# KiCad board Parallel.kicad_pcb (continued)
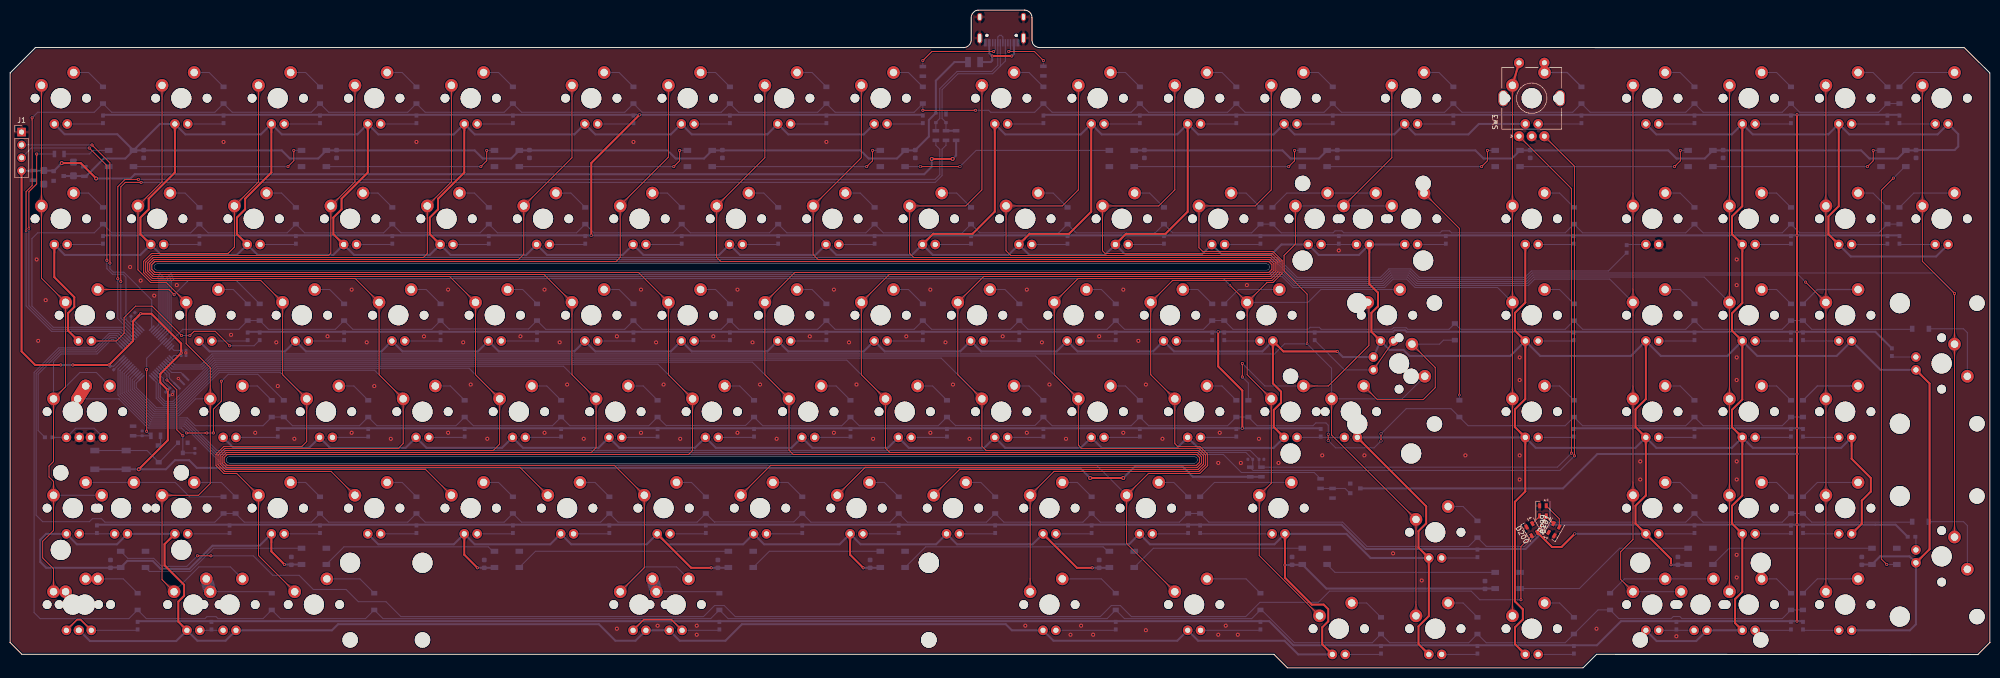
[diagram p0: board, top side]
## Copper pours and planes (outline as drawn; the poured copper is in the pictures) (continued)
Col13 on Bottom: 270.11,91.14 270.19,91.14 270.26,91.14 270.34,91.13 270.41,91.13 270.48,91.12 270.55,91.11 270.62,91.1 270.69,91.09 270.76,91.07 270.82,91.06 270.89,91.04 270.96,91.02 271.02,91 271.08,90.97 271.15,90.95 271.21,90.92 271.27,90.89 271.33,90.86 271.39,90.83 271.45,90.8 271.51,90.76 271.57,90.73 271.62,90.69 271.68,90.65 271.73,90.6 271.79,90.56 271.84,90.51 271.89,90.47 271.95,90.42 272,90.37 273.52,91.24 272,92.12 271.95,92.07 271.89,92.02 271.84,91.97 271.79,91.92 271.73,91.88 271.68,91.84 271.62,91.8 271.57,91.76 271.51,91.72 271.45,91.69 271.39,91.65 271.33,91.62 271.27,91.59 271.21,91.56 271.15,91.54 271.08,91.51 271.02,91.49 270.96,91.47 270.89,91.45 270.82,91.43 270.76,91.41 270.69,91.4 270.62,91.38 270.55,91.37 270.48,91.36 270.41,91.36 270.34,91.35 270.26,91.35 270.19,91.34 270.11,91.34
Col13 on Bottom: 260.88,55.92 260.88,55.84 260.88,55.77 260.88,55.7 260.87,55.62 260.86,55.55 260.85,55.48 260.84,55.41 260.83,55.34 260.81,55.28 260.8,55.21 260.78,55.14 260.76,55.08 260.74,55.01 260.72,54.95 260.69,54.89 260.66,54.82 260.64,54.76 260.61,54.7 260.57,54.64 260.54,54.58 260.5,54.52 260.47,54.47 260.43,54.41 260.39,54.35 260.35,54.3 260.3,54.24 260.26,54.19 260.21,54.14 260.16,54.09 260.11,54.03 260.98,52.52 261.86,54.03 261.81,54.09 261.76,54.14 261.71,54.19 261.67,54.24 261.62,54.3 261.58,54.35 261.54,54.41 261.5,54.47 261.46,54.52 261.43,54.58 261.4,54.64 261.36,54.7 261.33,54.76 261.3,54.82 261.28,54.89 261.25,54.95 261.23,55.01 261.21,55.08 261.19,55.14 261.17,55.21 261.15,55.28 261.14,55.34 261.13,55.41 261.12,55.48 261.11,55.55 261.1,55.62 261.09,55.7 261.09,55.77 261.09,55.84 261.08,55.92
Col13 on Bottom: 263.76,53.24 263.69,53.24 263.61,53.25 263.54,53.25 263.47,53.26 263.4,53.26 263.33,53.27 263.26,53.28 263.19,53.3 263.12,53.31 263.05,53.33 262.99,53.35 262.92,53.37 262.85,53.39 262.79,53.41 262.73,53.44 262.67,53.46 262.6,53.49 262.54,53.52 262.48,53.55 262.42,53.59 262.37,53.62 262.31,53.66 262.25,53.7 262.2,53.74 262.14,53.78 262.09,53.82 262.03,53.87 261.98,53.92 261.93,53.97 261.88,54.02 260.36,53.14 261.88,52.27 261.93,52.32 261.98,52.37 262.03,52.41 262.09,52.46 262.14,52.5 262.2,52.55 262.25,52.59 262.31,52.62 262.37,52.66 262.42,52.7 262.48,52.73 262.54,52.76 262.6,52.79 262.67,52.82 262.73,52.85 262.79,52.87 262.85,52.9 262.92,52.92 262.99,52.94 263.05,52.96 263.12,52.97 263.19,52.99 263.26,53 263.33,53.01 263.4,53.02 263.47,53.03 263.54,53.03 263.61,53.04 263.69,53.04 263.76,53.04
Col13 on Bottom: 277.51,55.55 277.56,55.6 277.61,55.66 277.67,55.7 277.72,55.75 277.78,55.8 277.84,55.84 277.89,55.88 277.95,55.92 278.01,55.96 278.07,55.99 278.13,56.03 278.19,56.06 278.25,56.09 278.31,56.12 278.37,56.15 278.44,56.17 278.5,56.19 278.57,56.22 278.63,56.24 278.7,56.25 278.76,56.27 278.83,56.29 278.9,56.3 278.96,56.31 279.03,56.32 279.1,56.33 279.17,56.33 279.24,56.33 279.31,56.34 279.39,56.34 279.84,58.03 278.15,57.57 278.15,57.5 278.15,57.43 278.14,57.36 278.14,57.29 278.13,57.22 278.12,57.15 278.11,57.08 278.1,57.02 278.08,56.95 278.07,56.88 278.05,56.82 278.03,56.75 278.01,56.69 277.98,56.62 277.96,56.56 277.93,56.5 277.9,56.44 277.87,56.38 277.84,56.32 277.81,56.26 277.77,56.2 277.73,56.14 277.69,56.08 277.65,56.02 277.61,55.97 277.56,55.91 277.52,55.86 277.47,55.8 277.42,55.75 277.37,55.69
Col13 on Bottom: 256.62,91.34 256.54,91.34 256.47,91.35 256.39,91.35 256.32,91.36 256.25,91.36 256.18,91.37 256.11,91.38 256.04,91.4 255.97,91.41 255.91,91.43 255.84,91.45 255.78,91.47 255.71,91.49 255.65,91.51 255.58,91.54 255.52,91.56 255.46,91.59 255.4,91.62 255.34,91.65 255.28,91.69 255.22,91.72 255.16,91.76 255.11,91.8 255.05,91.84 255,91.88 254.94,91.92 254.89,91.97 254.84,92.02 254.78,92.07 254.73,92.12 253.21,91.24 254.73,90.37 254.78,90.42 254.84,90.47 254.89,90.51 254.94,90.56 255,90.6 255.05,90.65 255.11,90.69 255.16,90.73 255.22,90.76 255.28,90.8 255.34,90.83 255.4,90.86 255.46,90.89 255.52,90.92 255.58,90.95 255.65,90.97 255.71,91 255.78,91.02 255.84,91.04 255.91,91.06 255.97,91.07 256.04,91.09 256.11,91.1 256.18,91.11 256.25,91.12 256.32,91.13 256.39,91.13 256.47,91.14 256.54,91.14 256.62,91.14
Col13 on Bottom: 260.59,91.14 260.66,91.14 260.74,91.14 260.81,91.13 260.88,91.13 260.95,91.12 261.02,91.11 261.09,91.1 261.16,91.09 261.23,91.07 261.3,91.06 261.36,91.04 261.43,91.02 261.49,91 261.56,90.97 261.62,90.95 261.68,90.92 261.75,90.89 261.81,90.86 261.87,90.83 261.93,90.8 261.98,90.76 262.04,90.73 262.1,90.69 262.15,90.65 262.21,90.6 262.26,90.56 262.32,90.51 262.37,90.47 262.42,90.42 262.47,90.37 263.99,91.24 262.47,92.12 262.42,92.07 262.37,92.02 262.32,91.97 262.26,91.92 262.21,91.88 262.15,91.84 262.1,91.8 262.04,91.76 261.98,91.72 261.93,91.69 261.87,91.65 261.81,91.62 261.75,91.59 261.68,91.56 261.62,91.54 261.56,91.51 261.49,91.49 261.43,91.47 261.36,91.45 261.3,91.43 261.23,91.41 261.16,91.4 261.09,91.38 261.02,91.37 260.95,91.36 260.88,91.36 260.81,91.35 260.74,91.35 260.66,91.34 260.59,91.34
Col14 on Top: 297.22,117.54 296.11,116.16 296.53,114.45 297.79,115.66 297.61,117.43
Col14 on Top: 297.66,117.6 298.48,118.63 298.15,119.99 297.14,119.03 297.28,117.72
Col14 on Top: 296.8,50.37 296.8,50.44 296.81,50.51 296.81,50.59 296.82,50.66 296.82,50.73 296.83,50.8 296.84,50.87 296.86,50.94 296.87,51.01 296.89,51.07 296.91,51.14 296.93,51.21 296.95,51.27 296.97,51.34 297,51.4 297.02,51.46 297.05,51.52 297.08,51.58 297.11,51.64 297.15,51.7 297.18,51.76 297.22,51.82 297.26,51.87 297.3,51.93 297.34,51.99 297.38,52.04 297.43,52.09 297.48,52.15 297.53,52.2 297.58,52.25 296.7,53.77 295.83,52.25 295.88,52.2 295.93,52.15 295.97,52.09 296.02,52.04 296.06,51.99 296.11,51.93 296.15,51.87 296.19,51.82 296.22,51.76 296.26,51.7 296.29,51.64 296.32,51.58 296.35,51.52 296.38,51.46 296.41,51.4 296.43,51.34 296.46,51.27 296.48,51.21 296.5,51.14 296.52,51.07 296.53,51.01 296.55,50.94 296.56,50.87 296.57,50.8 296.58,50.73 296.59,50.66 296.59,50.59 296.6,50.51 296.6,50.44 296.6,50.37
Col14 on Top: 296.6,13.06 296.6,12.98 296.6,12.91 296.59,12.83 296.59,12.76 296.58,12.69 296.57,12.62 296.56,12.55 296.55,12.48 296.53,12.41 296.52,12.35 296.5,12.28 296.48,12.21 296.46,12.15 296.43,12.09 296.41,12.02 296.38,11.96 296.35,11.9 296.32,11.84 296.29,11.78 296.26,11.72 296.22,11.66 296.19,11.6 296.15,11.55 296.11,11.49 296.06,11.44 296.02,11.38 295.98,11.33 295.93,11.27 295.88,11.22 295.83,11.17 296.7,9.65 297.58,11.17 297.53,11.22 297.48,11.27 297.43,11.33 297.39,11.38 297.34,11.44 297.3,11.49 297.26,11.55 297.22,11.6 297.18,11.66 297.15,11.72 297.11,11.78 297.08,11.84 297.05,11.9 297.02,11.96 297,12.02 296.97,12.09 296.95,12.15 296.93,12.21 296.91,12.28 296.89,12.35 296.87,12.41 296.86,12.48 296.84,12.55 296.83,12.62 296.82,12.69 296.82,12.76 296.81,12.83 296.81,12.91 296.8,12.98 296.8,13.06
Col14 on Top: 296.8,69.42 296.8,69.49 296.81,69.56 296.81,69.64 296.82,69.71 296.82,69.78 296.83,69.85 296.84,69.92 296.86,69.99 296.87,70.06 296.89,70.12 296.91,70.19 296.93,70.26 296.95,70.32 296.97,70.39 297,70.45 297.02,70.51 297.05,70.57 297.08,70.63 297.11,70.69 297.15,70.75 297.18,70.81 297.22,70.87 297.26,70.92 297.3,70.98 297.34,71.04 297.38,71.09 297.43,71.14 297.48,71.2 297.53,71.25 297.58,71.3 296.7,72.82 295.83,71.3 295.88,71.25 295.93,71.2 295.97,71.14 296.02,71.09 296.06,71.04 296.11,70.98 296.15,70.92 296.19,70.87 296.22,70.81 296.26,70.75 296.29,70.69 296.32,70.63 296.35,70.57 296.38,70.51 296.41,70.45 296.43,70.39 296.46,70.32 296.48,70.26 296.5,70.19 296.52,70.12 296.53,70.06 296.55,69.99 296.56,69.92 296.57,69.85 296.58,69.78 296.59,69.71 296.59,69.64 296.6,69.56 296.6,69.49 296.6,69.42
Col14 on Top: 296.6,55.92 296.6,55.84 296.6,55.77 296.59,55.7 296.59,55.62 296.58,55.55 296.57,55.48 296.56,55.41 296.55,55.34 296.53,55.28 296.52,55.21 296.5,55.14 296.48,55.08 296.46,55.01 296.43,54.95 296.41,54.89 296.38,54.82 296.35,54.76 296.32,54.7 296.29,54.64 296.26,54.58 296.22,54.52 296.19,54.47 296.15,54.41 296.11,54.35 296.06,54.3 296.02,54.24 295.97,54.19 295.93,54.14 295.88,54.09 295.83,54.03 296.7,52.52 297.58,54.03 297.53,54.09 297.48,54.14 297.43,54.19 297.38,54.24 297.34,54.3 297.3,54.35 297.26,54.41 297.22,54.47 297.18,54.52 297.15,54.58 297.11,54.64 297.08,54.7 297.05,54.76 297.02,54.82 297,54.89 296.97,54.95 296.95,55.01 296.93,55.08 296.91,55.14 296.89,55.21 296.87,55.28 296.86,55.34 296.84,55.41 296.83,55.48 296.82,55.55 296.82,55.62 296.81,55.7 296.81,55.77 296.8,55.84 296.8,55.92
Col14 on Top: 296.8,88.47 296.8,88.54 296.81,88.61 296.81,88.69 296.82,88.76 296.82,88.83 296.83,88.9 296.84,88.97 296.86,89.04 296.87,89.11 296.89,89.17 296.91,89.24 296.93,89.31 296.95,89.37 296.97,89.44 297,89.5 297.02,89.56 297.05,89.62 297.08,89.68 297.11,89.74 297.15,89.8 297.18,89.86 297.22,89.92 297.26,89.97 297.3,90.03 297.34,90.09 297.38,90.14 297.43,90.19 297.48,90.25 297.53,90.3 297.58,90.35 296.7,91.87 295.83,90.35 295.88,90.3 295.93,90.25 295.97,90.19 296.02,90.14 296.06,90.09 296.11,90.03 296.15,89.97 296.19,89.92 296.22,89.86 296.26,89.8 296.29,89.74 296.32,89.68 296.35,89.62 296.38,89.56 296.41,89.5 296.43,89.44 296.46,89.37 296.48,89.31 296.5,89.24 296.52,89.17 296.53,89.11 296.55,89.04 296.56,88.97 296.57,88.9 296.58,88.83 296.59,88.76 296.59,88.69 296.6,88.61 296.6,88.54 296.6,88.47
Col14 on Top: 296.6,74.97 296.6,74.89 296.6,74.82 296.59,74.75 296.59,74.67 296.58,74.6 296.57,74.53 296.56,74.46 296.55,74.39 296.53,74.33 296.52,74.26 296.5,74.19 296.48,74.13 296.46,74.06 296.43,74 296.41,73.94 296.38,73.87 296.35,73.81 296.32,73.75 296.29,73.69 296.26,73.63 296.22,73.57 296.19,73.52 296.15,73.46 296.11,73.4 296.06,73.35 296.02,73.29 295.97,73.24 295.93,73.19 295.88,73.14 295.83,73.08 296.7,71.57 297.58,73.08 297.53,73.14 297.48,73.19 297.43,73.24 297.38,73.29 297.34,73.35 297.3,73.4 297.26,73.46 297.22,73.52 297.18,73.57 297.15,73.63 297.11,73.69 297.08,73.75 297.05,73.81 297.02,73.87 297,73.94 296.97,74 296.95,74.06 296.93,74.13 296.91,74.19 296.89,74.26 296.87,74.33 296.86,74.39 296.84,74.46 296.83,74.53 296.82,74.6 296.82,74.67 296.81,74.75 296.81,74.82 296.8,74.89 296.8,74.97
Col14 on Top: 296.8,112.28 296.8,112.35 296.81,112.43 296.81,112.5 296.82,112.57 296.82,112.64 296.83,112.71 296.84,112.78 296.86,112.85 296.87,112.92 296.89,112.99 296.91,113.05 296.93,113.12 296.95,113.18 296.97,113.25 297,113.31 297.02,113.37 297.05,113.43 297.08,113.5 297.11,113.56 297.15,113.61 297.18,113.67 297.22,113.73 297.26,113.79 297.3,113.84 297.34,113.9 297.38,113.95 297.43,114.01 297.48,114.06 297.53,114.11 297.58,114.16 296.7,115.68 295.83,114.16 295.88,114.11 295.93,114.06 295.97,114.01 296.02,113.95 296.06,113.9 296.11,113.84 296.15,113.79 296.19,113.73 296.22,113.67 296.26,113.61 296.29,113.56 296.32,113.5 296.35,113.43 296.38,113.37 296.41,113.31 296.43,113.25 296.46,113.18 296.48,113.12 296.5,113.05 296.52,112.99 296.53,112.92 296.55,112.85 296.56,112.78 296.57,112.71 296.58,112.64 296.59,112.57 296.59,112.5 296.6,112.43 296.6,112.35 296.6,112.28
Col14 on Top: 296.6,94.02 296.6,93.94 296.6,93.87 296.59,93.8 296.59,93.72 296.58,93.65 296.57,93.58 296.56,93.51 296.55,93.44 296.53,93.38 296.52,93.31 296.5,93.24 296.48,93.18 296.46,93.11 296.43,93.05 296.41,92.99 296.38,92.92 296.35,92.86 296.32,92.8 296.29,92.74 296.26,92.68 296.22,92.62 296.19,92.57 296.15,92.51 296.11,92.45 296.06,92.4 296.02,92.34 295.97,92.29 295.93,92.24 295.88,92.19 295.83,92.13 296.7,90.62 297.58,92.13 297.53,92.19 297.48,92.24 297.43,92.29 297.38,92.34 297.34,92.4 297.3,92.45 297.26,92.51 297.22,92.57 297.18,92.62 297.15,92.68 297.11,92.74 297.08,92.8 297.05,92.86 297.02,92.92 297,92.99 296.97,93.05 296.95,93.11 296.93,93.18 296.91,93.24 296.89,93.31 296.87,93.38 296.86,93.44 296.84,93.51 296.83,93.58 296.82,93.65 296.82,93.72 296.81,93.8 296.81,93.87 296.8,93.94 296.8,94.02
Col14 on Bottom: 294.67,74.08 294.72,74.03 294.77,73.98 294.82,73.92 294.87,73.87 294.91,73.81 294.95,73.75 295,73.7 295.03,73.64 295.07,73.58 295.11,73.52 295.14,73.46 295.18,73.4 295.21,73.34 295.23,73.28 295.26,73.22 295.29,73.15 295.31,73.09 295.33,73.03 295.35,72.96 295.37,72.9 295.39,72.83 295.4,72.76 295.41,72.69 295.42,72.63 295.43,72.56 295.44,72.49 295.45,72.42 295.45,72.35 295.45,72.28 295.45,72.2 297.14,71.75 296.69,73.44 296.62,73.44 296.55,73.44 296.48,73.45 296.41,73.45 296.34,73.46 296.27,73.47 296.2,73.48 296.13,73.49 296.06,73.51 296,73.52 295.93,73.54 295.87,73.56 295.8,73.58 295.74,73.61 295.68,73.63 295.61,73.66 295.55,73.69 295.49,73.72 295.43,73.75 295.37,73.79 295.31,73.82 295.25,73.86 295.2,73.9 295.14,73.94 295.08,73.98 295.03,74.03 294.97,74.07 294.92,74.12 294.86,74.17 294.81,74.23
Col15 on Top: 318.48,16.93 318.53,16.88 318.58,16.83 318.63,16.77 318.68,16.72 318.72,16.66 318.77,16.6 318.81,16.55 318.85,16.49 318.89,16.43 318.92,16.37 318.96,16.31 318.99,16.25 319.02,16.19 319.05,16.13 319.08,16.07 319.1,16 319.12,15.94 319.15,15.88 319.17,15.81 319.18,15.75 319.2,15.68 319.21,15.61 319.23,15.54 319.24,15.48 319.25,15.41 319.25,15.34 319.26,15.27 319.26,15.2 319.27,15.13 319.27,15.05 320.96,14.6 320.5,16.29 320.43,16.29 320.36,16.29 320.29,16.3 320.22,16.3 320.15,16.31 320.08,16.32 320.01,16.33 319.94,16.34 319.88,16.36 319.81,16.37 319.75,16.39 319.68,16.41 319.62,16.43 319.55,16.46 319.49,16.48 319.43,16.51 319.37,16.54 319.31,16.57 319.24,16.6 319.19,16.64 319.13,16.67 319.07,16.71 319.01,16.75 318.95,16.79 318.9,16.83 318.84,16.88 318.78,16.92 318.73,16.97 318.68,17.02 318.62,17.08
Col15 on Top: 320.62,31.32 320.62,31.39 320.62,31.46 320.62,31.54 320.63,31.61 320.64,31.68 320.65,31.75 320.66,31.82 320.67,31.89 320.69,31.96 320.7,32.02 320.72,32.09 320.74,32.16 320.76,32.22 320.78,32.29 320.81,32.35 320.84,32.41 320.86,32.47 320.89,32.53 320.93,32.59 320.96,32.65 321,32.71 321.03,32.77 321.07,32.82 321.11,32.88 321.15,32.94 321.2,32.99 321.24,33.04 321.29,33.1 321.34,33.15 321.39,33.2 320.52,34.72 319.64,33.2 319.69,33.15 319.74,33.1 319.79,33.04 319.83,32.99 319.88,32.94 319.92,32.88 319.96,32.82 320,32.77 320.04,32.71 320.07,32.65 320.1,32.59 320.14,32.53 320.17,32.47 320.2,32.41 320.22,32.35 320.25,32.29 320.27,32.22 320.29,32.16 320.31,32.09 320.33,32.02 320.35,31.96 320.36,31.89 320.37,31.82 320.38,31.75 320.39,31.68 320.4,31.61 320.41,31.54 320.41,31.46 320.41,31.39 320.42,31.32
Col15 on Top: 320.61,50.37 320.62,50.44 320.62,50.51 320.62,50.59 320.63,50.66 320.64,50.73 320.65,50.8 320.66,50.87 320.67,50.94 320.68,51.01 320.7,51.07 320.72,51.14 320.74,51.21 320.76,51.27 320.78,51.34 320.81,51.4 320.84,51.46 320.86,51.52 320.89,51.58 320.93,51.64 320.96,51.7 320.99,51.76 321.03,51.82 321.07,51.87 321.11,51.93 321.15,51.99 321.2,52.04 321.24,52.09 321.29,52.15 321.34,52.2 321.39,52.25 320.51,53.77 319.64,52.25 319.69,52.2 319.74,52.15 319.79,52.09 319.83,52.04 319.88,51.99 319.92,51.93 319.96,51.87 320,51.82 320.03,51.76 320.07,51.7 320.1,51.64 320.14,51.58 320.17,51.52 320.19,51.46 320.22,51.4 320.25,51.34 320.27,51.27 320.29,51.21 320.31,51.14 320.33,51.07 320.34,51.01 320.36,50.94 320.37,50.87 320.38,50.8 320.39,50.73 320.4,50.66 320.41,50.59 320.41,50.51 320.41,50.44 320.41,50.37
Col15 on Top: 320.41,36.87 320.41,36.79 320.41,36.72 320.41,36.65 320.4,36.58 320.39,36.5 320.38,36.43 320.37,36.36 320.36,36.29 320.35,36.23 320.33,36.16 320.31,36.09 320.29,36.03 320.27,35.96 320.25,35.9 320.22,35.84 320.19,35.77 320.17,35.71 320.14,35.65 320.1,35.59 320.07,35.53 320.04,35.47 320,35.42 319.96,35.36 319.92,35.3 319.88,35.25 319.83,35.19 319.79,35.14 319.74,35.09 319.69,35.04 319.64,34.98 320.52,33.47 321.39,34.98 321.34,35.04 321.29,35.09 321.24,35.14 321.2,35.19 321.15,35.25 321.11,35.3 321.07,35.36 321.03,35.42 321,35.47 320.96,35.53 320.93,35.59 320.89,35.65 320.86,35.71 320.84,35.77 320.81,35.84 320.78,35.9 320.76,35.96 320.74,36.03 320.72,36.09 320.7,36.16 320.68,36.23 320.67,36.29 320.66,36.36 320.65,36.43 320.64,36.5 320.63,36.58 320.62,36.65 320.62,36.72 320.62,36.79 320.61,36.87
Col15 on Top: 320.61,69.42 320.62,69.49 320.62,69.56 320.62,69.64 320.63,69.71 320.64,69.78 320.65,69.85 320.66,69.92 320.67,69.99 320.68,70.06 320.7,70.12 320.72,70.19 320.74,70.26 320.76,70.32 320.78,70.39 320.81,70.45 320.84,70.51 320.86,70.57 320.89,70.63 320.93,70.69 320.96,70.75 320.99,70.81 321.03,70.87 321.07,70.92 321.11,70.98 321.15,71.04 321.2,71.09 321.24,71.14 321.29,71.2 321.34,71.25 321.39,71.3 320.51,72.82 319.64,71.3 319.69,71.25 319.74,71.2 319.79,71.14 319.83,71.09 319.88,71.04 319.92,70.98 319.96,70.92 320,70.87 320.03,70.81 320.07,70.75 320.1,70.69 320.14,70.63 320.17,70.57 320.19,70.51 320.22,70.45 320.25,70.39 320.27,70.32 320.29,70.26 320.31,70.19 320.33,70.12 320.34,70.06 320.36,69.99 320.37,69.92 320.38,69.85 320.39,69.78 320.4,69.71 320.41,69.64 320.41,69.56 320.41,69.49 320.41,69.42
Col15 on Top: 320.41,55.92 320.41,55.84 320.41,55.77 320.41,55.7 320.4,55.62 320.39,55.55 320.38,55.48 320.37,55.41 320.36,55.34 320.34,55.28 320.33,55.21 320.31,55.14 320.29,55.08 320.27,55.01 320.25,54.95 320.22,54.89 320.19,54.82 320.17,54.76 320.14,54.7 320.1,54.64 320.07,54.58 320.03,54.52 320,54.47 319.96,54.41 319.92,54.35 319.88,54.3 319.83,54.24 319.79,54.19 319.74,54.14 319.69,54.09 319.64,54.03 320.51,52.52 321.39,54.03 321.34,54.09 321.29,54.14 321.24,54.19 321.2,54.24 321.15,54.3 321.11,54.35 321.07,54.41 321.03,54.47 320.99,54.52 320.96,54.58 320.93,54.64 320.89,54.7 320.86,54.76 320.84,54.82 320.81,54.89 320.78,54.95 320.76,55.01 320.74,55.08 320.72,55.14 320.7,55.21 320.68,55.28 320.67,55.34 320.66,55.41 320.65,55.48 320.64,55.55 320.63,55.62 320.62,55.7 320.62,55.77 320.62,55.84 320.61,55.92
Col15 on Top: 320.61,88.47 320.62,88.54 320.62,88.61 320.62,88.69 320.63,88.76 320.64,88.83 320.65,88.9 320.66,88.97 320.67,89.04 320.68,89.11 320.7,89.17 320.72,89.24 320.74,89.31 320.76,89.37 320.78,89.44 320.81,89.5 320.84,89.56 320.86,89.62 320.89,89.68 320.93,89.74 320.96,89.8 320.99,89.86 321.03,89.92 321.07,89.97 321.11,90.03 321.15,90.09 321.2,90.14 321.24,90.19 321.29,90.25 321.34,90.3 321.39,90.35 320.51,91.87 319.64,90.35 319.69,90.3 319.74,90.25 319.79,90.19 319.83,90.14 319.88,90.09 319.92,90.03 319.96,89.97 320,89.92 320.03,89.86 320.07,89.8 320.1,89.74 320.14,89.68 320.17,89.62 320.19,89.56 320.22,89.5 320.25,89.44 320.27,89.37 320.29,89.31 320.31,89.24 320.33,89.17 320.34,89.11 320.36,89.04 320.37,88.97 320.38,88.9 320.39,88.83 320.4,88.76 320.41,88.69 320.41,88.61 320.41,88.54 320.41,88.47
Col15 on Top: 320.41,74.97 320.41,74.89 320.41,74.82 320.41,74.75 320.4,74.67 320.39,74.6 320.38,74.53 320.37,74.46 320.36,74.39 320.34,74.33 320.33,74.26 320.31,74.19 320.29,74.13 320.27,74.06 320.25,74 320.22,73.94 320.19,73.87 320.17,73.81 320.14,73.75 320.1,73.69 320.07,73.63 320.03,73.57 320,73.52 319.96,73.46 319.92,73.4 319.88,73.35 319.83,73.29 319.79,73.24 319.74,73.19 319.69,73.14 319.64,73.08 320.51,71.57 321.39,73.08 321.34,73.14 321.29,73.19 321.24,73.24 321.2,73.29 321.15,73.35 321.11,73.4 321.07,73.46 321.03,73.52 320.99,73.57 320.96,73.63 320.93,73.69 320.89,73.75 320.86,73.81 320.84,73.87 320.81,73.94 320.78,74 320.76,74.06 320.74,74.13 320.72,74.19 320.7,74.26 320.68,74.33 320.67,74.39 320.66,74.46 320.65,74.53 320.64,74.6 320.63,74.67 320.62,74.75 320.62,74.82 320.62,74.89 320.61,74.97
Col15 on Top: 320.61,112.28 320.62,112.35 320.62,112.43 320.62,112.5 320.63,112.57 320.64,112.64 320.65,112.71 320.66,112.78 320.67,112.85 320.68,112.92 320.7,112.99 320.72,113.05 320.74,113.12 320.76,113.18 320.78,113.25 320.81,113.31 320.84,113.37 320.86,113.43 320.89,113.5 320.93,113.56 320.96,113.61 320.99,113.67 321.03,113.73 321.07,113.79 321.11,113.84 321.15,113.9 321.2,113.95 321.24,114.01 321.29,114.06 321.34,114.11 321.39,114.16 320.51,115.68 319.64,114.16 319.69,114.11 319.74,114.06 319.79,114.01 319.83,113.95 319.88,113.9 319.92,113.84 319.96,113.79 320,113.73 320.03,113.67 320.07,113.61 320.1,113.56 320.14,113.5 320.17,113.43 320.19,113.37 320.22,113.31 320.25,113.25 320.27,113.18 320.29,113.12 320.31,113.05 320.33,112.99 320.34,112.92 320.36,112.85 320.37,112.78 320.38,112.71 320.39,112.64 320.4,112.57 320.41,112.5 320.41,112.43 320.41,112.35 320.41,112.28
Col15 on Top: 320.41,94.02 320.41,93.94 320.41,93.87 320.41,93.8 320.4,93.72 320.39,93.65 320.38,93.58 320.37,93.51 320.36,93.44 320.34,93.38 320.33,93.31 320.31,93.24 320.29,93.18 320.27,93.11 320.25,93.05 320.22,92.99 320.19,92.92 320.17,92.86 320.14,92.8 320.1,92.74 320.07,92.68 320.03,92.62 320,92.57 319.96,92.51 319.92,92.45 319.88,92.4 319.83,92.34 319.79,92.29 319.74,92.24 319.69,92.19 319.64,92.13 320.51,90.62 321.39,92.13 321.34,92.19 321.29,92.24 321.24,92.29 321.2,92.34 321.15,92.4 321.11,92.45 321.07,92.51 321.03,92.57 320.99,92.62 320.96,92.68 320.93,92.74 320.89,92.8 320.86,92.86 320.84,92.92 320.81,92.99 320.78,93.05 320.76,93.11 320.74,93.18 320.72,93.24 320.7,93.31 320.68,93.38 320.67,93.44 320.66,93.51 320.65,93.58 320.64,93.65 320.63,93.72 320.62,93.8 320.62,93.87 320.62,93.94 320.61,94.02
Col15 on Bottom: 323.29,15.14 323.22,15.14 323.14,15.15 323.07,15.15 323,15.16 322.93,15.16 322.86,15.17 322.79,15.18 322.72,15.2 322.65,15.21 322.58,15.23 322.52,15.25 322.45,15.27 322.39,15.29 322.32,15.31 322.26,15.34 322.2,15.36 322.14,15.39 322.07,15.42 322.01,15.45 321.96,15.49 321.9,15.52 321.84,15.56 321.78,15.6 321.73,15.64 321.67,15.68 321.62,15.72 321.56,15.77 321.51,15.82 321.46,15.87 321.41,15.92 319.89,15.04 321.41,14.17 321.46,14.22 321.51,14.27 321.56,14.31 321.62,14.36 321.67,14.4 321.73,14.45 321.78,14.49 321.84,14.52 321.9,14.56 321.96,14.6 322.01,14.63 322.07,14.66 322.14,14.69 322.2,14.72 322.26,14.75 322.32,14.77 322.39,14.8 322.45,14.82 322.52,14.84 322.58,14.86 322.65,14.87 322.72,14.89 322.79,14.9 322.86,14.91 322.93,14.92 323,14.93 323.07,14.93 323.14,14.94 323.22,14.94 323.29,14.94
Col15 on Bottom: 327.26,14.94 327.34,14.94 327.41,14.94 327.49,14.93 327.56,14.93 327.63,14.92 327.7,14.91 327.77,14.9 327.84,14.89 327.91,14.87 327.97,14.86 328.04,14.84 328.11,14.82 328.17,14.8 328.23,14.77 328.3,14.75 328.36,14.72 328.42,14.69 328.48,14.66 328.54,14.63 328.6,14.6 328.66,14.56 328.72,14.52 328.77,14.49 328.83,14.45 328.88,14.4 328.94,14.36 328.99,14.31 329.04,14.27 329.1,14.22 329.15,14.17 330.67,15.04 329.15,15.92 329.1,15.87 329.04,15.82 328.99,15.77 328.94,15.72 328.88,15.68 328.83,15.64 328.77,15.6 328.72,15.56 328.66,15.52 328.6,15.49 328.54,15.45 328.48,15.42 328.42,15.39 328.36,15.36 328.3,15.34 328.23,15.31 328.17,15.29 328.11,15.27 328.04,15.25 327.97,15.23 327.91,15.21 327.84,15.2 327.77,15.18 327.7,15.17 327.63,15.16 327.56,15.16 327.49,15.15 327.41,15.15 327.34,15.14 327.26,15.14
Col15 on Bottom: 318.48,74.08 318.53,74.03 318.58,73.98 318.63,73.92 318.68,73.87 318.72,73.81 318.77,73.75 318.81,73.7 318.85,73.64 318.89,73.58 318.92,73.52 318.96,73.46 318.99,73.4 319.02,73.34 319.05,73.28 319.07,73.22 319.1,73.15 319.12,73.09 319.14,73.03 319.16,72.96 319.18,72.9 319.2,72.83 319.21,72.76 319.23,72.69 319.24,72.63 319.25,72.56 319.25,72.49 319.26,72.42 319.26,72.35 319.26,72.28 319.26,72.2 320.96,71.75 320.5,73.44 320.43,73.44 320.36,73.44 320.29,73.45 320.22,73.45 320.15,73.46 320.08,73.47 320.01,73.48 319.94,73.49 319.88,73.51 319.81,73.52 319.75,73.54 319.68,73.56 319.62,73.58 319.55,73.61 319.49,73.63 319.43,73.66 319.37,73.69 319.3,73.72 319.24,73.75 319.18,73.79 319.13,73.82 319.07,73.86 319.01,73.9 318.95,73.94 318.9,73.98 318.84,74.03 318.78,74.07 318.73,74.12 318.68,74.17 318.62,74.23
Col16 on Top: 339.67,31.32 339.67,31.39 339.67,31.46 339.67,31.54 339.68,31.61 339.69,31.68 339.7,31.75 339.71,31.82 339.72,31.89 339.74,31.96 339.75,32.02 339.77,32.09 339.79,32.16 339.81,32.22 339.83,32.29 339.86,32.35 339.89,32.41 339.91,32.47 339.94,32.53 339.98,32.59 340.01,32.65 340.05,32.71 340.08,32.77 340.12,32.82 340.16,32.88 340.2,32.94 340.25,32.99 340.29,33.04 340.34,33.1 340.39,33.15 340.44,33.2 339.57,34.72 338.69,33.2 338.74,33.15 338.79,33.1 338.84,33.04 338.88,32.99 338.93,32.94 338.97,32.88 339.01,32.82 339.05,32.77 339.09,32.71 339.12,32.65 339.15,32.59 339.19,32.53 339.22,32.47 339.25,32.41 339.27,32.35 339.3,32.29 339.32,32.22 339.34,32.16 339.36,32.09 339.38,32.02 339.4,31.96 339.41,31.89 339.42,31.82 339.43,31.75 339.44,31.68 339.45,31.61 339.46,31.54 339.46,31.46 339.46,31.39 339.47,31.32
Col16 on Top: 339.47,17.82 339.46,17.74 339.46,17.67 339.46,17.6 339.45,17.52 339.44,17.45 339.43,17.38 339.42,17.31 339.41,17.24 339.4,17.18 339.38,17.11 339.36,17.04 339.34,16.98 339.32,16.91 339.3,16.85 339.27,16.79 339.25,16.72 339.22,16.66 339.19,16.6 339.15,16.54 339.12,16.48 339.09,16.42 339.05,16.37 339.01,16.31 338.97,16.25 338.93,16.2 338.88,16.14 338.84,16.09 338.79,16.04 338.74,15.99 338.69,15.93 339.57,14.42 340.44,15.93 340.39,15.99 340.34,16.04 340.29,16.09 340.25,16.14 340.2,16.2 340.16,16.25 340.12,16.31 340.08,16.37 340.05,16.42 340.01,16.48 339.98,16.54 339.94,16.6 339.91,16.66 339.89,16.72 339.86,16.79 339.83,16.85 339.81,16.91 339.79,16.98 339.77,17.04 339.75,17.11 339.74,17.18 339.72,17.24 339.71,17.31 339.7,17.38 339.69,17.45 339.68,17.52 339.67,17.6 339.67,17.67 339.67,17.74 339.67,17.82
